# Altium PCB amp.PcbDoc (part 20 of 20)
Units mm, origin at the board's own origin, x right, y up, seen from the top; angles counter-clockwise.
Board outline 210 x 210 mm, 2 copper layers (Top Layer, Bottom Layer); 742 components, 1354 nets, 6402 pads, 5154 vias.
Unrouted connection lines stored in the file: 702.
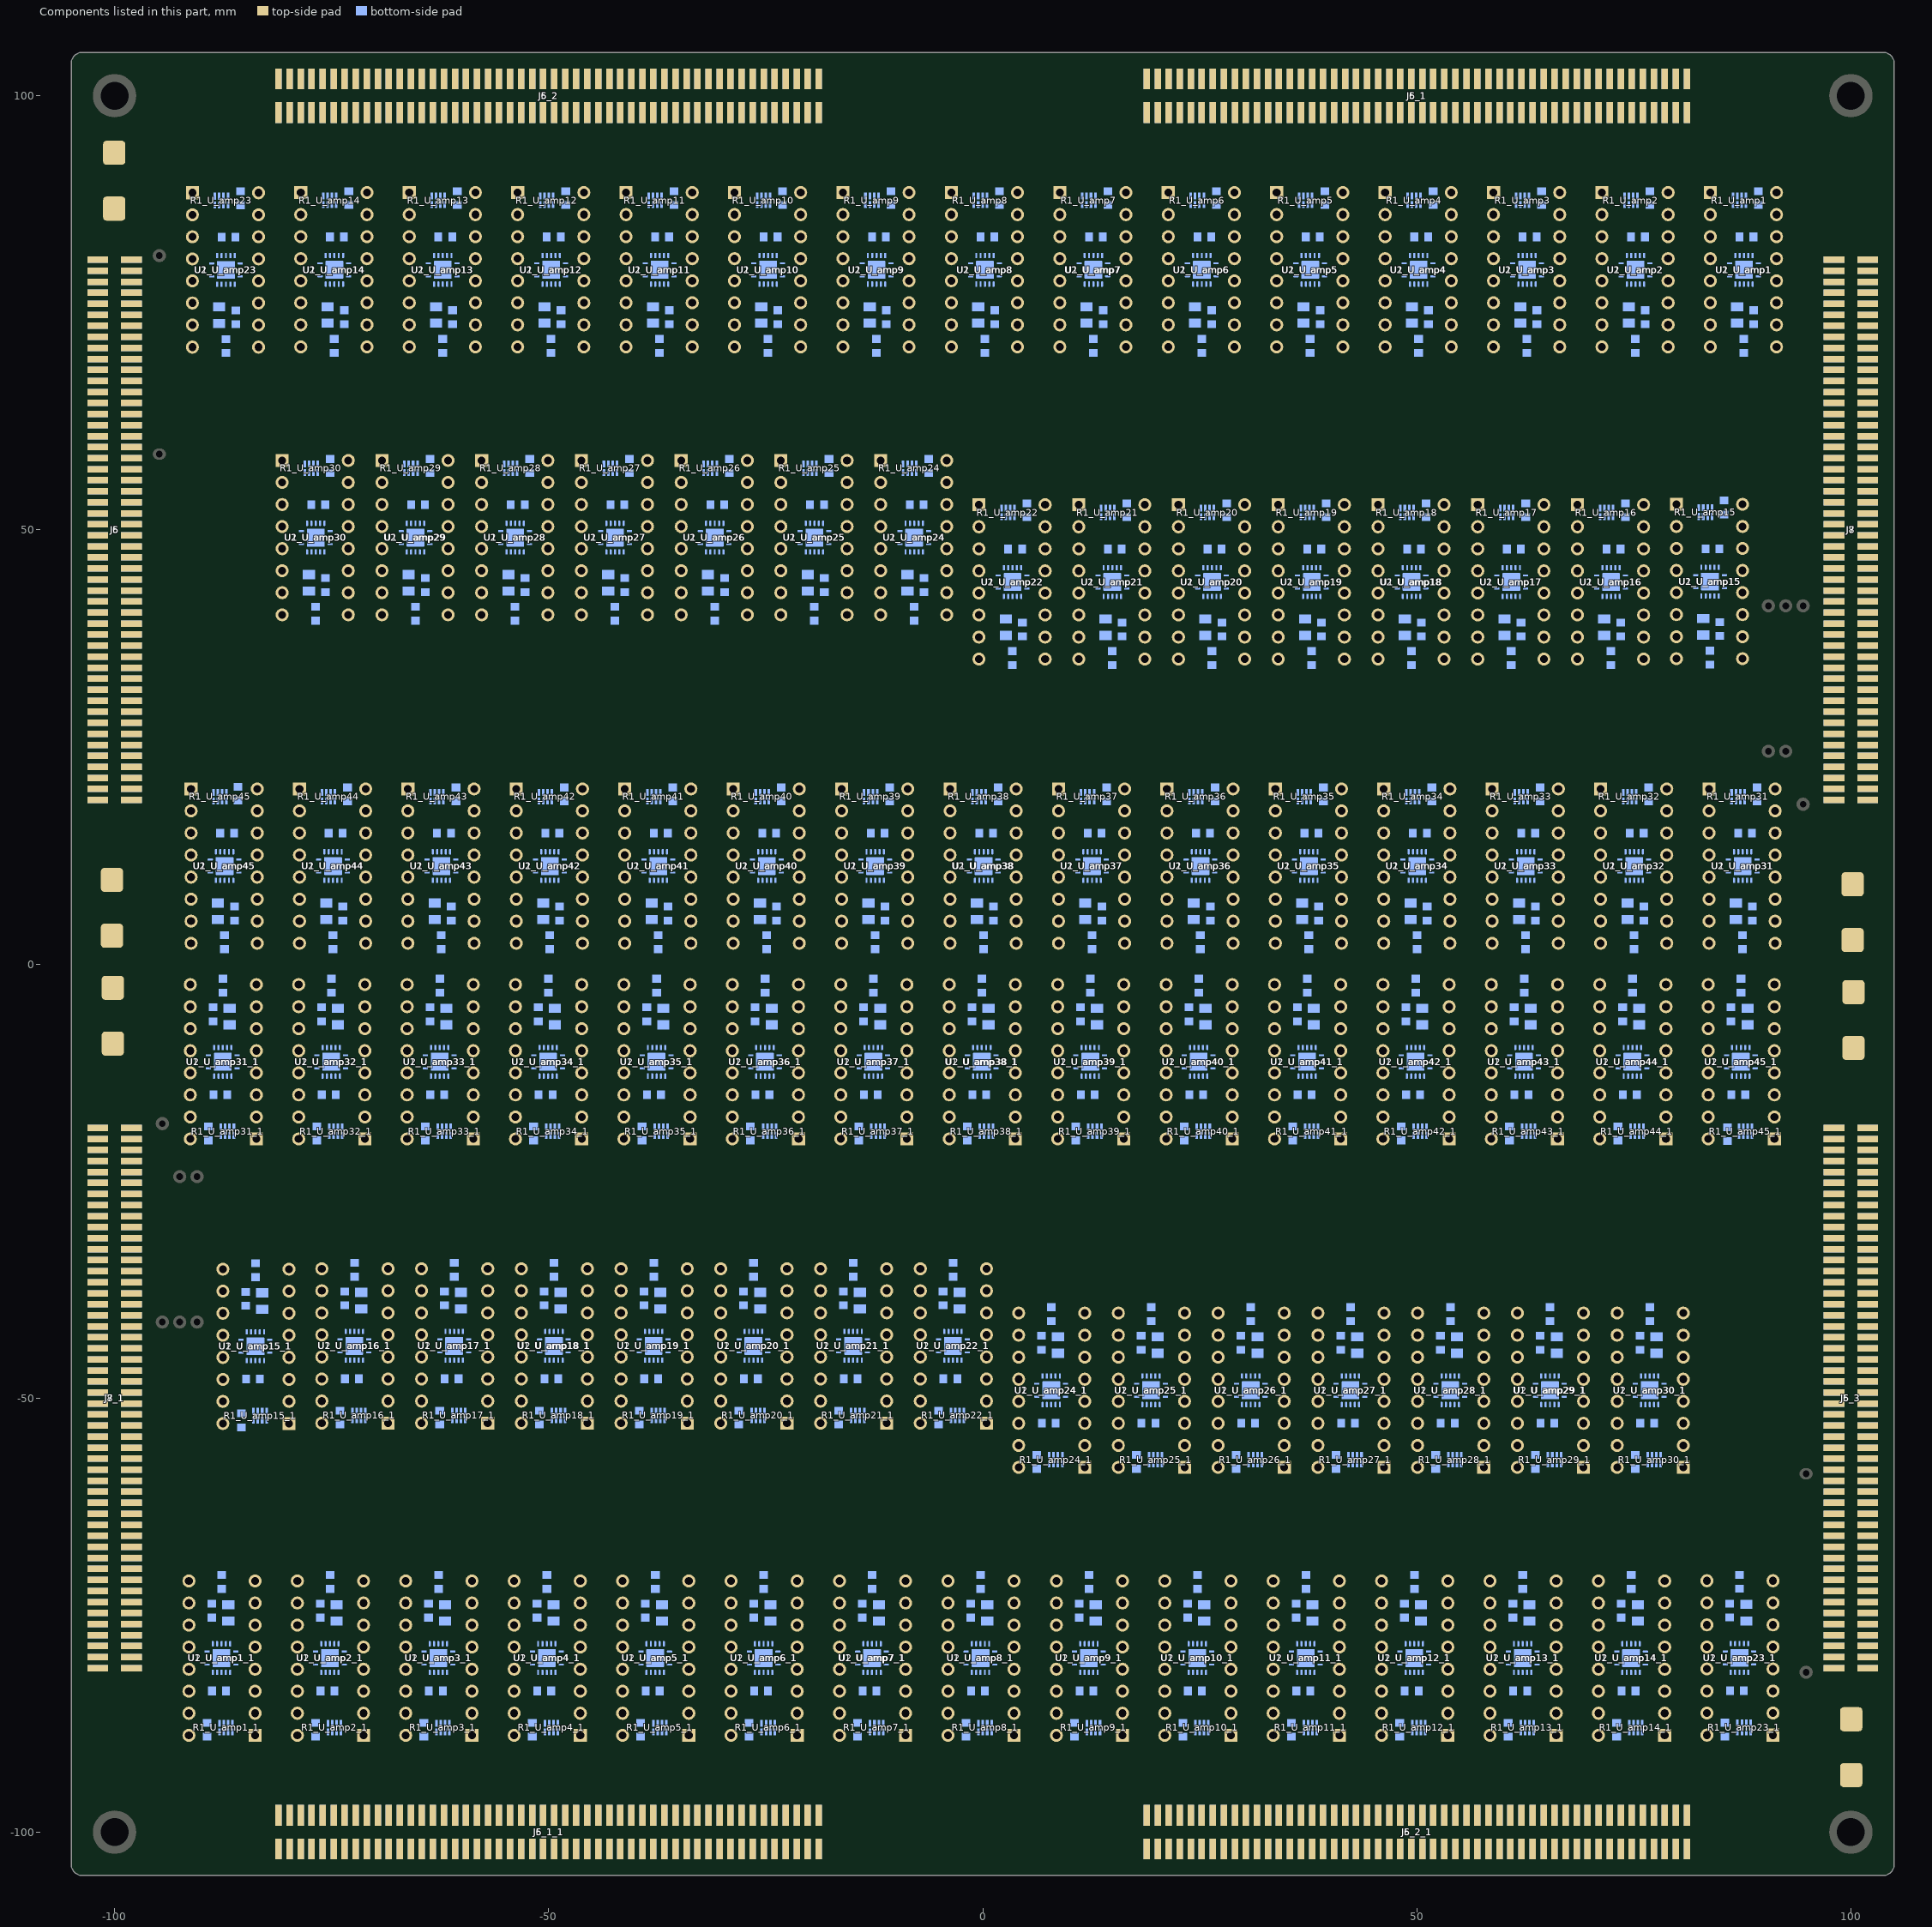
[diagram p20: the components of this part, seen from the top]

## Silkscreen, mask and mechanical layers (free items; w line width, h text height) (continued)
Bottom Overlay:
  circle w1: c100,100 r3.702
  lines w0.2: -93.701,-69.647 93.37,-69.647 ; -93.548,-0.96 93.523,-0.96 ; -93.523,0.96 93.548,0.96 ; -93.37,69.647 93.701,69.647 ; -89.109,-53.865 -89.109,-33.571 -77.908,-33.571 -77.908,-53.865 ; -82.699,58.928 -82.699,38.633 -71.142,38.633 ; -78.067,-33.527 -66.51,-33.527 -66.51,-53.822 ; -71.208,58.928 -71.208,38.633 -59.651,38.633 ; -66.577,-33.527 -55.02,-33.527 -55.02,-53.822 ; -59.718,58.928 -59.718,38.633 -48.161,38.633 ; -55.086,-33.527 -43.529,-33.527 -43.529,-53.822 ; -48.228,58.928 -48.228,38.633 -36.671,38.633 ; -43.596,-33.527 -32.039,-33.527 -32.039,-53.822 ; -36.738,58.928 -36.738,38.633 -25.181,38.633 ; -32.106,-33.527 -20.549,-33.527 -20.549,-53.822 ; -25.248,58.928 -25.248,38.633 -13.691,38.633 -13.691,59.182 ; -20.616,-33.527 -9.059,-33.527 -9.059,-53.822 ; -13.757,38.633 -2.591,38.633 ; -9.126,-33.527 2.591,-33.527 2.591,-59.588 ; -2.591,59.588 -2.591,33.527 9.126,33.527 ; 2.591,-38.633 13.757,-38.633 ; 9.059,53.822 9.059,33.527 20.616,33.527 ; 13.691,-59.182 13.691,-38.633 25.248,-38.633 25.248,-58.928 ; 20.549,53.822 20.549,33.527 32.106,33.527 ; 25.181,-38.633 36.738,-38.633 36.738,-58.928 ; 32.039,53.822 32.039,33.527 43.596,33.527 ; 36.671,-38.633 48.228,-38.633 48.228,-58.928 ; 43.529,53.822 43.529,33.527 55.086,33.527 ; 48.161,-38.633 59.718,-38.633 59.718,-58.928 ; 55.02,53.822 55.02,33.527 66.577,33.527 ; 59.651,-38.633 71.208,-38.633 71.208,-58.928 ; 66.51,53.822 66.51,33.527 78.067,33.527 ; 71.142,-38.633 82.699,-38.633 82.699,-58.928 ; 77.908,53.865 77.908,33.571 89.109,33.571 89.109,53.865 ; -104,-87.54 -104,-17.04 -96,-17.04 -96,-87.54 -104,-87.54 ; -104,17 -104,87.5 -96,87.5 -96,17 -104,17 ; 96,-87.5 104,-87.5 104,-17 96,-17 96,-87.5 ; 96,17.04 96,87.54 104,87.54 104,17.04 96,17.04
  text "-OUTPUT-" at -14.681,101.6 h7 r180
  text "Ch1 IC14 Ch2" at -68.463,89.759 h2
  text "Ch1 IC13 Ch2" at -55.973,89.759 h2
  text "Ch1 IC12 Ch2" at -43.483,89.759 h2
  text "Ch1 IC11 Ch2" at -30.992,89.759 h2
  text "Ch1 IC10 Ch2" at -18.502,89.759 h2
  text "Ch1 IC09 Ch2" at -6.012,89.759 h2
  text "Ch1 IC08 Ch2" at 6.478,89.759 h2
  text "Ch1 IC07 Ch2" at 18.968,89.759 h2
  text "Ch1 IC06 Ch2" at 31.459,89.759 h2
  text "Ch1 IC05 Ch2" at 43.949,89.759 h2
  text "Ch1 IC04 Ch2" at 56.439,89.759 h2
  text "Ch1 IC03 Ch2" at 68.929,89.759 h2
  text "Ch1 IC02 Ch2" at 81.419,89.759 h2
  text "Ch1 IC01 Ch2" at 93.91,89.759 h2
  text "Ch1 IC23 Ch2" at -80.952,89.738 h2
  text "5V" at -68.463,86.888 h1.1
  text "5V" at -55.973,86.888 h1.1
  text "5V" at -43.483,86.888 h1.1
  text "5V" at -30.992,86.888 h1.1
  text "5V" at -18.502,86.888 h1.1
  text "5V" at -6.012,86.888 h1.1
  text "5V" at 6.478,86.888 h1.1
  text "5V" at 18.968,86.888 h1.1
  text "5V" at 31.459,86.888 h1.1
  text "5V" at 43.949,86.888 h1.1
  text "5V" at 56.439,86.888 h1.1
  text "5V" at 68.929,86.888 h1.1
  text "5V" at 81.419,86.888 h1.1
  text "5V" at 93.91,86.888 h1.1
  text "5V" at -80.952,86.868 h1.1
  text "En" at -79.326,86.868 h1.1
  text "En" at -66.836,86.868 h1.1
  text "En" at -54.346,86.868 h1.1
  text "En" at -41.856,86.868 h1.1
  text "En" at -29.365,86.868 h1.1
  text "En" at -16.875,86.868 h1.1
  text "En" at -4.385,86.868 h1.1
  text "En" at 8.105,86.868 h1.1
  text "En" at 20.595,86.868 h1.1
  text "En" at 33.086,86.868 h1.1
  text "En" at 45.576,86.868 h1.1
  text "En" at 58.066,86.868 h1.1
  text "En" at 70.556,86.868 h1.1
  text "En" at 83.046,86.868 h1.1
  text "En" at -91.815,86.848 h1.1
  text "IN" at -68.463,84.348 h1.1
  text "IN" at -55.973,84.348 h1.1
  text "IN" at -43.483,84.348 h1.1
  text "IN" at -30.992,84.348 h1.1
  text "IN" at -18.502,84.348 h1.1
  text "IN" at -6.012,84.348 h1.1
  text "IN" at 6.478,84.348 h1.1
  text "IN" at 18.968,84.348 h1.1
  text "IN" at 31.459,84.348 h1.1
  text "IN" at 43.949,84.348 h1.1
  text "IN" at 56.439,84.348 h1.1
  text "IN" at 68.929,84.348 h1.1
  text "IN" at 81.419,84.348 h1.1
  text "IN" at 93.91,84.348 h1.1
  text "IN" at -80.952,84.328 h1.1
  text "IN" at -79.326,84.328 h1.1
  text "IN" at -66.836,84.328 h1.1
  text "IN" at -54.346,84.328 h1.1
  text "IN" at -41.856,84.328 h1.1
  text "IN" at -29.365,84.328 h1.1
  text "IN" at -16.875,84.328 h1.1
  text "IN" at -4.385,84.328 h1.1
  text "IN" at 8.105,84.328 h1.1
  text "IN" at 20.595,84.328 h1.1
  text "IN" at 33.086,84.328 h1.1
  text "IN" at 45.576,84.328 h1.1
  text "IN" at 58.066,84.328 h1.1
  text "IN" at 70.556,84.328 h1.1
  text "IN" at 83.046,84.328 h1.1
  text "IN" at -91.815,84.308 h1.1
  text "IC01- / IC23" at 104.048,82.54 h3
  text "IC23- / IC45" at -95.952,82.5 h3
  text "Out" at -68.463,81.808 h1.1
  text "Out" at -55.973,81.808 h1.1
  text "Out" at -43.483,81.808 h1.1
  text "Out" at -30.992,81.808 h1.1
  text "Out" at -18.502,81.808 h1.1
  text "Out" at -6.012,81.808 h1.1
  text "Out" at 6.478,81.808 h1.1
  text "Out" at 18.968,81.808 h1.1
  text "Out" at 31.459,81.808 h1.1
  text "Out" at 43.949,81.808 h1.1
  text "Out" at 56.439,81.808 h1.1
  text "Out" at 68.929,81.808 h1.1
  text "Out" at 81.419,81.808 h1.1
  text "Out" at 93.91,81.808 h1.1
  text "Out" at -80.952,81.788 h1.1
  text "Out" at -79.326,81.788 h1.1
  text "Out" at -66.836,81.788 h1.1
  text "Out" at -54.346,81.788 h1.1
  text "Out" at -41.856,81.788 h1.1
  text "Out" at -29.365,81.788 h1.1
  text "Out" at -16.875,81.788 h1.1
  text "Out" at -4.385,81.788 h1.1
  text "Out" at 8.105,81.788 h1.1
  text "Out" at 20.595,81.788 h1.1
  text "Out" at 33.086,81.788 h1.1
  text "Out" at 45.576,81.788 h1.1
  text "Out" at 58.066,81.788 h1.1
  text "Out" at 70.556,81.788 h1.1
  text "Out" at 83.046,81.788 h1.1
  text "Out" at -91.815,81.768 h1.1
  text "GND" at -68.463,79.268 h1.1
  text "GND" at -55.973,79.268 h1.1
  text "GND" at -43.483,79.268 h1.1
  text "GND" at -30.992,79.268 h1.1
  text "GND" at -18.502,79.268 h1.1
  text "GND" at -6.012,79.268 h1.1
  text "GND" at 6.478,79.268 h1.1
  text "GND" at 18.968,79.268 h1.1
  text "GND" at 31.459,79.268 h1.1
  text "GND" at 43.949,79.268 h1.1
  text "GND" at 56.439,79.268 h1.1
  text "GND" at 68.929,79.268 h1.1
  text "GND" at 81.419,79.268 h1.1
  text "GND" at 93.91,79.268 h1.1
  text "GND" at -80.952,79.248 h1.1
  text "GND" at -79.326,79.248 h1.1
  text "GND" at -66.836,79.248 h1.1
  text "GND" at -54.346,79.248 h1.1
  text "GND" at -41.856,79.248 h1.1
  text "GND" at -29.365,79.248 h1.1
  text "GND" at -16.875,79.248 h1.1
  text "GND" at -4.385,79.248 h1.1
  text "GND" at 8.105,79.248 h1.1
  text "GND" at 20.595,79.248 h1.1
  text "GND" at 33.086,79.248 h1.1
  text "GND" at 45.576,79.248 h1.1
  text "GND" at 58.066,79.248 h1.1
  text "GND" at 70.556,79.248 h1.1
  text "GND" at 83.046,79.248 h1.1
  text "GND" at -91.815,79.228 h1.1
  text "GND" at -68.463,76.728 h1.1
  text "GND" at -55.973,76.728 h1.1
  text "GND" at -43.483,76.728 h1.1
  text "GND" at -30.992,76.728 h1.1
  text "GND" at -18.502,76.728 h1.1
  text "GND" at -6.012,76.728 h1.1
  text "GND" at 6.478,76.728 h1.1
  text "GND" at 18.968,76.728 h1.1
  text "GND" at 31.459,76.728 h1.1
  text "GND" at 43.949,76.728 h1.1
  text "GND" at 56.439,76.728 h1.1
  text "GND" at 68.929,76.728 h1.1
  text "GND" at 81.419,76.728 h1.1
  text "GND" at 93.91,76.728 h1.1
  text "GND" at -80.952,76.708 h1.1
  text "GND" at -79.326,76.708 h1.1
  text "GND" at -66.836,76.708 h1.1
  text "GND" at -54.346,76.708 h1.1
  text "GND" at -41.856,76.708 h1.1
  text "GND" at -29.365,76.708 h1.1
  text "GND" at -16.875,76.708 h1.1
  text "GND" at -4.385,76.708 h1.1
  text "GND" at 8.105,76.708 h1.1
  text "GND" at 20.595,76.708 h1.1
  text "GND" at 33.086,76.708 h1.1
  text "GND" at 45.576,76.708 h1.1
  text "GND" at 58.066,76.708 h1.1
  text "GND" at 70.556,76.708 h1.1
  text "GND" at 83.046,76.708 h1.1
  text "GND" at -91.815,76.688 h1.1
  text "Out" at -68.463,74.188 h1.1
  text "Out" at -55.973,74.188 h1.1
  text "Out" at -43.483,74.188 h1.1
  text "Out" at -30.992,74.188 h1.1
  text "Out" at -18.502,74.188 h1.1
  text "Out" at -6.012,74.188 h1.1
  text "Out" at 6.478,74.188 h1.1
  text "Out" at 18.968,74.188 h1.1
  text "Out" at 31.459,74.188 h1.1
  text "Out" at 43.949,74.188 h1.1
  text "Out" at 56.439,74.188 h1.1
  text "Out" at 68.929,74.188 h1.1
  text "Out" at 81.419,74.188 h1.1
  text "Out" at 93.91,74.188 h1.1
  text "Out" at -80.952,74.168 h1.1
  text "Out" at -79.326,74.168 h1.1
  text "Out" at -66.836,74.168 h1.1
  text "Out" at -54.346,74.168 h1.1
  text "Out" at -41.856,74.168 h1.1
  text "Out" at -29.365,74.168 h1.1
  text "Out" at -16.875,74.168 h1.1
  text "Out" at -4.385,74.168 h1.1
  text "Out" at 8.105,74.168 h1.1
  text "Out" at 20.595,74.168 h1.1
  text "Out" at 33.086,74.168 h1.1
  text "Out" at 45.576,74.168 h1.1
  text "Out" at 58.066,74.168 h1.1
  text "Out" at 70.556,74.168 h1.1
  text "Out" at 83.046,74.168 h1.1
  text "Out" at -91.815,74.148 h1.1
  text "In" at -68.463,71.648 h1.1
  text "In" at -55.973,71.648 h1.1
  text "In" at -43.483,71.648 h1.1
  text "In" at -30.992,71.648 h1.1
  text "In" at -18.502,71.648 h1.1
  text "In" at -6.012,71.648 h1.1
  text "In" at 6.478,71.648 h1.1
  text "In" at 18.968,71.648 h1.1
  text "In" at 31.459,71.648 h1.1
  text "In" at 43.949,71.648 h1.1
  text "In" at 56.439,71.648 h1.1
  text "In" at 68.929,71.648 h1.1
  text "In" at 81.419,71.648 h1.1
  text "In" at 93.91,71.648 h1.1
  text "In" at -80.952,71.628 h1.1
  text "In" at -79.326,71.628 h1.1
  text "In" at -66.836,71.628 h1.1
  text "In" at -54.346,71.628 h1.1
  text "In" at -41.856,71.628 h1.1
  text "In" at -29.365,71.628 h1.1
  text "In" at -16.875,71.628 h1.1
  text "In" at -4.385,71.628 h1.1
  text "In" at 8.105,71.628 h1.1
  text "In" at 20.595,71.628 h1.1
  text "In" at 33.086,71.628 h1.1
  text "In" at 45.576,71.628 h1.1
  text "In" at 58.066,71.628 h1.1
  text "In" at 70.556,71.628 h1.1
  text "In" at 83.046,71.628 h1.1
  text "In" at -91.815,71.608 h1.1
  text "Vus" at -79.326,69.647 h1.1
  text "En" at -68.463,69.647 h1.1
  text "Vus" at -66.836,69.647 h1.1
  text "En" at -55.973,69.647 h1.1
  text "Vus" at -54.346,69.647 h1.1
  text "En" at -43.483,69.647 h1.1
  text "Vus" at -41.856,69.647 h1.1
  text "En" at -30.992,69.647 h1.1
  text "Vus" at -29.365,69.647 h1.1
  text "En" at -18.502,69.647 h1.1
  text "Vus" at -16.875,69.647 h1.1
  text "En" at -6.012,69.647 h1.1
  text "Vus" at -4.385,69.647 h1.1
  text "En" at 6.478,69.647 h1.1
  text "Vus" at 8.105,69.647 h1.1
  text "En" at 18.968,69.647 h1.1
  text "Vus" at 20.595,69.647 h1.1
  text "En" at 31.459,69.647 h1.1
  text "Vus" at 33.086,69.647 h1.1
  text "En" at 43.949,69.647 h1.1
  text "Vus" at 45.576,69.647 h1.1
  text "En" at 56.439,69.647 h1.1
  text "Vus" at 58.066,69.647 h1.1
  text "En" at 68.929,69.647 h1.1
  text "Vus" at 70.556,69.647 h1.1
  text "En" at 81.419,69.647 h1.1
  text "Vus" at 83.046,69.647 h1.1
  text "En" at 93.91,69.647 h1.1
  text "Vus" at -91.815,69.626 h1.1
  text "En" at -80.952,69.626 h1.1
  text "Ch1 IC30 Ch2" at -71.396,58.904 h2
  text "Ch1 IC29 Ch2" at -59.905,58.904 h2
  text "Ch1 IC28 Ch2" at -48.415,58.904 h2
  text "Ch1 IC27 Ch2" at -36.925,58.904 h2
  text "Ch1 IC26 Ch2" at -25.435,58.904 h2
  text "Ch1 IC25 Ch2" at -13.945,58.904 h2
  text "Ch1 IC24 Ch2" at -2.464,58.904 h2
  text "Ch1 IC15 Ch2" at 89.211,53.842 h2
  text "Ch1 IC22 Ch2" at 8.872,53.798 h2
  text "Ch1 IC21 Ch2" at 20.362,53.798 h2
  text "Ch1 IC20 Ch2" at 31.852,53.798 h2
  text "Ch1 IC19 Ch2" at 43.342,53.798 h2
  text "Ch1 IC18 Ch2" at 54.832,53.798 h2
  text "Ch1 IC17 Ch2" at 66.323,53.798 h2
  text "Ch1 IC16 Ch2" at 77.813,53.798 h2
  text "Ch1 IC45 Ch2" at -81.104,21.051 h2
  text "Ch1 IC44 Ch2" at -68.615,21.071 h2
  text "Ch1 IC43 Ch2" at -56.125,21.071 h2
  text "Ch1 IC42 Ch2" at -43.635,21.071 h2
  text "Ch1 IC41 Ch2" at -31.145,21.071 h2
  text "Ch1 IC40 0Ch2" at -18.655,21.071 h2
  text "Ch1 IC39 Ch2" at -6.164,21.071 h2
  text "Ch1 IC38 Ch2" at 6.326,21.071 h2
  text "Ch1 IC37 Ch2" at 18.816,21.071 h2
  text "Ch1 IC36 Ch2" at 31.306,21.071 h2
  text "Ch1 IC35 Ch2" at 43.796,21.071 h2
  text "Ch1 IC34 Ch2" at 56.287,21.071 h2
  text "Ch1 IC33 Ch2" at 68.777,21.071 h2
  text "Ch1 IC32 Ch2" at 81.267,21.071 h2
  text "Ch1 IC31 Ch2" at 93.757,21.071 h2
  text "5V" at -81.104,18.181 h1.1
  text "En" at -79.479,18.181 h1.1
  text "5V" at -68.615,18.201 h1.1
  text "En" at -66.988,18.181 h1.1
  text "5V" at -56.125,18.201 h1.1
  text "En" at -54.498,18.181 h1.1
  text "5V" at -43.635,18.201 h1.1
  text "En" at -42.008,18.181 h1.1
  text "5V" at -31.145,18.201 h1.1
  text "En" at -29.518,18.181 h1.1
  text "5V" at -18.655,18.201 h1.1
  text "En" at -17.028,18.181 h1.1
  text "5V" at -6.164,18.201 h1.1
  text "En" at -4.537,18.181 h1.1
  text "5V" at 6.326,18.201 h1.1
  text "En" at 7.953,18.181 h1.1
  text "5V" at 18.816,18.201 h1.1
  text "En" at 20.443,18.181 h1.1
  text "5V" at 31.306,18.201 h1.1
  text "En" at 32.933,18.181 h1.1
  text "5V" at 43.796,18.201 h1.1
  text "En" at 45.423,18.181 h1.1
  text "5V" at 56.287,18.201 h1.1
  text "En" at 57.914,18.181 h1.1
  text "5V" at 68.777,18.201 h1.1
  text "En" at 70.404,18.181 h1.1
  text "5V" at 81.267,18.201 h1.1
  text "En" at 82.894,18.181 h1.1
  text "5V" at 93.757,18.201 h1.1
  text "En" at -91.967,18.16 h1.1
  text "IN" at -81.104,15.641 h1.1
  text "IN" at -79.479,15.641 h1.1
  text "IN" at -68.615,15.661 h1.1
  text "IN" at -66.988,15.641 h1.1
  text "IN" at -56.125,15.661 h1.1
  text "IN" at -54.498,15.641 h1.1
  text "IN" at -43.635,15.661 h1.1
  text "IN" at -42.008,15.641 h1.1
  text "IN" at -31.145,15.661 h1.1
  text "IN" at -29.518,15.641 h1.1
  text "IN" at -18.655,15.661 h1.1
  text "IN" at -17.028,15.641 h1.1
  text "IN" at -6.164,15.661 h1.1
  text "IN" at -4.537,15.641 h1.1
  text "IN" at 6.326,15.661 h1.1
  text "IN" at 7.953,15.641 h1.1
  text "IN" at 18.816,15.661 h1.1
  text "IN" at 20.443,15.641 h1.1
  text "IN" at 31.306,15.661 h1.1
  text "IN" at 32.933,15.641 h1.1
  text "IN" at 43.796,15.661 h1.1
  text "IN" at 45.423,15.641 h1.1
  text "IN" at 56.287,15.661 h1.1
  text "IN" at 57.914,15.641 h1.1
  text "IN" at 68.777,15.661 h1.1
  text "IN" at 70.404,15.641 h1.1
  text "IN" at 81.267,15.661 h1.1
  text "IN" at 82.894,15.641 h1.1
  text "IN" at 93.757,15.661 h1.1
  text "IN" at -91.967,15.62 h1.1
  text "-OUTPUT-" at 101.575,14.707 h7 r90
  text "Out" at -81.104,13.101 h1.1
  text "Out" at -79.479,13.101 h1.1
  text "Out" at -68.615,13.121 h1.1
  text "Out" at -66.988,13.101 h1.1
  text "Out" at -56.125,13.121 h1.1
  text "Out" at -54.498,13.101 h1.1
  text "Out" at -43.635,13.121 h1.1
  text "Out" at -42.008,13.101 h1.1
  text "Out" at -31.145,13.121 h1.1
  text "Out" at -29.518,13.101 h1.1
  text "Out" at -18.655,13.121 h1.1
  text "Out" at -17.028,13.101 h1.1
  text "Out" at -6.164,13.121 h1.1
  text "Out" at -4.537,13.101 h1.1
  text "Out" at 6.326,13.121 h1.1
  text "Out" at 7.953,13.101 h1.1
  text "Out" at 18.816,13.121 h1.1
  text "Out" at 20.443,13.101 h1.1
  text "Out" at 31.306,13.121 h1.1
  text "Out" at 32.933,13.101 h1.1
  text "Out" at 43.796,13.121 h1.1
  text "Out" at 45.423,13.101 h1.1
  text "Out" at 56.287,13.121 h1.1
  text "Out" at 57.914,13.101 h1.1
  text "Out" at 68.777,13.121 h1.1
  text "Out" at 70.404,13.101 h1.1
  text "Out" at 81.267,13.121 h1.1
  text "Out" at 82.894,13.101 h1.1
  text "Out" at 93.757,13.121 h1.1
  text "Out" at -91.967,13.08 h1.1
  text "GND" at -81.104,10.561 h1.1
  text "GND" at -79.479,10.561 h1.1
  text "GND" at -68.615,10.581 h1.1
  text "GND" at -66.988,10.561 h1.1
  text "GND" at -56.125,10.581 h1.1
  text "GND" at -54.498,10.561 h1.1
  text "GND" at -43.635,10.581 h1.1
  text "GND" at -42.008,10.561 h1.1
  text "GND" at -31.145,10.581 h1.1
  text "GND" at -29.518,10.561 h1.1
  text "GND" at -18.655,10.581 h1.1
  text "GND" at -17.028,10.561 h1.1
  text "GND" at -6.164,10.581 h1.1
  text "GND" at -4.537,10.561 h1.1
  text "GND" at 6.326,10.581 h1.1
  text "GND" at 7.953,10.561 h1.1
  text "GND" at 18.816,10.581 h1.1
  text "GND" at 20.443,10.561 h1.1
  text "GND" at 31.306,10.581 h1.1
  text "GND" at 32.933,10.561 h1.1
  text "GND" at 43.796,10.581 h1.1
  text "GND" at 45.423,10.561 h1.1
  text "GND" at 56.287,10.581 h1.1
  text "GND" at 57.914,10.561 h1.1
  text "GND" at 68.777,10.581 h1.1
  text "GND" at 70.404,10.561 h1.1
  text "GND" at 81.267,10.581 h1.1
  text "GND" at 82.894,10.561 h1.1
  text "GND" at 93.757,10.581 h1.1
  text "GND" at -91.967,10.54 h1.1
  text "GND" at -81.104,8.021 h1.1
  text "GND" at -79.479,8.021 h1.1
  text "GND" at -68.615,8.041 h1.1
  text "GND" at -66.988,8.021 h1.1
  text "GND" at -56.125,8.041 h1.1
  text "GND" at -54.498,8.021 h1.1
  text "GND" at -43.635,8.041 h1.1
  text "GND" at -42.008,8.021 h1.1
  text "GND" at -31.145,8.041 h1.1
  text "GND" at -29.518,8.021 h1.1
  text "GND" at -18.655,8.041 h1.1
  text "GND" at -17.028,8.021 h1.1
  text "GND" at -6.164,8.041 h1.1
  text "GND" at -4.537,8.021 h1.1
  text "GND" at 6.326,8.041 h1.1
  text "GND" at 7.953,8.021 h1.1
  text "GND" at 18.816,8.041 h1.1
  text "GND" at 20.443,8.021 h1.1
  text "GND" at 31.306,8.041 h1.1
  text "GND" at 32.933,8.021 h1.1
  text "GND" at 43.796,8.041 h1.1
  text "GND" at 45.423,8.021 h1.1
  text "GND" at 56.287,8.041 h1.1
  text "GND" at 57.914,8.021 h1.1
  text "GND" at 68.777,8.041 h1.1
  text "GND" at 70.404,8.021 h1.1
  text "GND" at 81.267,8.041 h1.1
  text "GND" at 82.894,8.021 h1.1
  text "GND" at 93.757,8.041 h1.1
  text "GND" at -91.967,8 h1.1
  text "Out" at -81.104,5.481 h1.1
  text "Out" at -79.479,5.481 h1.1
  text "Out" at -68.615,5.501 h1.1
  text "Out" at -66.988,5.481 h1.1
  text "Out" at -56.125,5.501 h1.1
  text "Out" at -54.498,5.481 h1.1
  text "Out" at -43.635,5.501 h1.1
  text "Out" at -42.008,5.481 h1.1
  text "Out" at -31.145,5.501 h1.1
  text "Out" at -29.518,5.481 h1.1
  text "Out" at -18.655,5.501 h1.1
  text "Out" at -17.028,5.481 h1.1
  text "Out" at -6.164,5.501 h1.1
  text "Out" at -4.537,5.481 h1.1
  text "Out" at 6.326,5.501 h1.1
  text "Out" at 7.953,5.481 h1.1
  text "Out" at 18.816,5.501 h1.1
  text "Out" at 20.443,5.481 h1.1
  text "Out" at 31.306,5.501 h1.1
  text "Out" at 32.933,5.481 h1.1
  text "Out" at 43.796,5.501 h1.1
  text "Out" at 45.423,5.481 h1.1
  text "Out" at 56.287,5.501 h1.1
  text "Out" at 57.914,5.481 h1.1
  text "Out" at 68.777,5.501 h1.1
  text "Out" at 70.404,5.481 h1.1
  text "Out" at 81.267,5.501 h1.1
  text "Out" at 82.894,5.481 h1.1
  text "Out" at 93.757,5.501 h1.1
  text "Out" at -91.967,5.46 h1.1
  text "In" at -81.104,2.941 h1.1
  text "In" at -79.479,2.941 h1.1
  text "In" at -68.615,2.961 h1.1
  text "In" at -66.988,2.941 h1.1
  text "In" at -56.125,2.961 h1.1
  text "In" at -54.498,2.941 h1.1
  text "In" at -43.635,2.961 h1.1
  text "In" at -42.008,2.941 h1.1
  text "In" at -31.145,2.961 h1.1
  text "In" at -29.518,2.941 h1.1
  text "In" at -18.655,2.961 h1.1
  text "In" at -17.028,2.941 h1.1
  text "In" at -6.164,2.961 h1.1
  text "In" at -4.537,2.941 h1.1
  text "In" at 6.326,2.961 h1.1
  text "In" at 7.953,2.941 h1.1
  text "In" at 18.816,2.961 h1.1
  text "In" at 20.443,2.941 h1.1
  text "In" at 31.306,2.961 h1.1
  text "In" at 32.933,2.941 h1.1
  text "In" at 43.796,2.961 h1.1
  text "In" at 45.423,2.941 h1.1
  text "In" at 56.287,2.961 h1.1
  text "In" at 57.914,2.941 h1.1
  text "In" at 68.777,2.961 h1.1
  text "In" at 70.404,2.941 h1.1
  text "In" at 81.267,2.961 h1.1
  text "In" at 82.894,2.941 h1.1
  text "In" at 93.757,2.961 h1.1
  text "In" at -91.967,2.92 h1.1
  text "Vus" at -79.479,0.96 h1.1
  text "En" at -68.615,0.96 h1.1
  text "Vus" at -66.988,0.96 h1.1
  text "En" at -56.125,0.96 h1.1
  text "Vus" at -54.498,0.96 h1.1
  text "En" at -43.635,0.96 h1.1
  text "Vus" at -42.008,0.96 h1.1
  text "En" at -31.145,0.96 h1.1
  text "Vus" at -29.518,0.96 h1.1
  text "En" at -18.655,0.96 h1.1
  text "Vus" at -17.028,0.96 h1.1
  text "En" at -6.164,0.96 h1.1
  text "Vus" at -4.537,0.96 h1.1
  text "En" at 6.326,0.96 h1.1
  text "Vus" at 7.953,0.96 h1.1
  text "En" at 18.816,0.96 h1.1
  text "Vus" at 20.443,0.96 h1.1
  text "En" at 31.306,0.96 h1.1
  text "Vus" at 32.933,0.96 h1.1
  text "En" at 43.796,0.96 h1.1
  text "Vus" at 45.423,0.96 h1.1
  text "En" at 56.287,0.96 h1.1
  text "Vus" at 57.914,0.96 h1.1
  text "En" at 68.777,0.96 h1.1
  text "Vus" at 70.404,0.96 h1.1
  text "En" at 81.267,0.96 h1.1
  text "Vus" at 82.894,0.96 h1.1
  text "En" at 93.757,0.96 h1.1
  text "Vus" at -91.967,0.939 h1.1
  text "En" at -81.104,0.939 h1.1
  text "En" at 81.104,-0.939 h1.1 r180
  text "Vus" at 91.967,-0.939 h1.1 r180
  text "En" at -93.757,-0.96 h1.1 r180
  text "Vus" at -82.894,-0.96 h1.1 r180
  text "En" at -81.267,-0.96 h1.1 r180
  text "Vus" at -70.404,-0.96 h1.1 r180
  text "En" at -68.777,-0.96 h1.1 r180
  text "Vus" at -57.914,-0.96 h1.1 r180
  text "En" at -56.287,-0.96 h1.1 r180
  text "Vus" at -45.423,-0.96 h1.1 r180
  text "En" at -43.796,-0.96 h1.1 r180
  text "Vus" at -32.933,-0.96 h1.1 r180
  text "En" at -31.306,-0.96 h1.1 r180
  text "Vus" at -20.443,-0.96 h1.1 r180
  text "En" at -18.816,-0.96 h1.1 r180
  text "Vus" at -7.953,-0.96 h1.1 r180
  text "En" at -6.326,-0.96 h1.1 r180
  text "Vus" at 4.537,-0.96 h1.1 r180
  text "En" at 6.164,-0.96 h1.1 r180
  text "Vus" at 17.028,-0.96 h1.1 r180
  text "En" at 18.655,-0.96 h1.1 r180
  text "Vus" at 29.518,-0.96 h1.1 r180
  text "En" at 31.145,-0.96 h1.1 r180
  text "Vus" at 42.008,-0.96 h1.1 r180
  text "En" at 43.635,-0.96 h1.1 r180
  text "Vus" at 54.498,-0.96 h1.1 r180
  text "En" at 56.125,-0.96 h1.1 r180
  text "Vus" at 66.988,-0.96 h1.1 r180
  text "En" at 68.615,-0.96 h1.1 r180
  text "Vus" at 79.479,-0.96 h1.1 r180
  text "In" at 91.967,-2.92 h1.1 r180
  text "In" at -82.894,-2.941 h1.1 r180
  text "In" at -70.404,-2.941 h1.1 r180
  text "In" at -57.914,-2.941 h1.1 r180
  text "In" at -45.423,-2.941 h1.1 r180
  text "In" at -32.933,-2.941 h1.1 r180
  text "In" at -20.443,-2.941 h1.1 r180
  text "In" at -7.953,-2.941 h1.1 r180
  text "In" at 4.537,-2.941 h1.1 r180
  text "In" at 17.028,-2.941 h1.1 r180
  text "In" at 29.518,-2.941 h1.1 r180
  text "In" at 42.008,-2.941 h1.1 r180
  text "In" at 54.498,-2.941 h1.1 r180
  text "In" at 66.988,-2.941 h1.1 r180
  text "In" at 79.479,-2.941 h1.1 r180
  text "In" at 81.104,-2.941 h1.1 r180
  text "In" at -93.757,-2.961 h1.1 r180
  text "In" at -81.267,-2.961 h1.1 r180
  text "In" at -68.777,-2.961 h1.1 r180
  text "In" at -56.287,-2.961 h1.1 r180
  text "In" at -43.796,-2.961 h1.1 r180
  text "In" at -31.306,-2.961 h1.1 r180
  text "In" at -18.816,-2.961 h1.1 r180
  text "In" at -6.326,-2.961 h1.1 r180
  text "In" at 6.164,-2.961 h1.1 r180
  text "In" at 18.655,-2.961 h1.1 r180
  text "In" at 31.145,-2.961 h1.1 r180
  text "In" at 43.635,-2.961 h1.1 r180
  text "In" at 56.125,-2.961 h1.1 r180
  text "In" at 68.615,-2.961 h1.1 r180
  text "Out" at 91.967,-5.46 h1.1 r180
  text "Out" at -82.894,-5.481 h1.1 r180
  text "Out" at -70.404,-5.481 h1.1 r180
  text "Out" at -57.914,-5.481 h1.1 r180
  text "Out" at -45.423,-5.481 h1.1 r180
  text "Out" at -32.933,-5.481 h1.1 r180
  text "Out" at -20.443,-5.481 h1.1 r180
  text "Out" at -7.953,-5.481 h1.1 r180
  text "Out" at 4.537,-5.481 h1.1 r180
  text "Out" at 17.028,-5.481 h1.1 r180
  text "Out" at 29.518,-5.481 h1.1 r180
  text "Out" at 42.008,-5.481 h1.1 r180
  text "Out" at 54.498,-5.481 h1.1 r180
  text "Out" at 66.988,-5.481 h1.1 r180
  text "Out" at 79.479,-5.481 h1.1 r180
  text "Out" at 81.104,-5.481 h1.1 r180
  text "Out" at -93.757,-5.501 h1.1 r180
  text "Out" at -81.267,-5.501 h1.1 r180
  text "Out" at -68.777,-5.501 h1.1 r180
  text "Out" at -56.287,-5.501 h1.1 r180
  text "Out" at -43.796,-5.501 h1.1 r180
  text "Out" at -31.306,-5.501 h1.1 r180
  text "Out" at -18.816,-5.501 h1.1 r180
  text "Out" at -6.326,-5.501 h1.1 r180
  text "Out" at 6.164,-5.501 h1.1 r180
  text "Out" at 18.655,-5.501 h1.1 r180
  text "Out" at 31.145,-5.501 h1.1 r180
  text "Out" at 43.635,-5.501 h1.1 r180
  text "Out" at 56.125,-5.501 h1.1 r180
  text "Out" at 68.615,-5.501 h1.1 r180
  text "GND" at 91.967,-8 h1.1 r180
  text "GND" at -82.894,-8.021 h1.1 r180
  text "GND" at -70.404,-8.021 h1.1 r180
  text "GND" at -57.914,-8.021 h1.1 r180
  text "GND" at -45.423,-8.021 h1.1 r180
  text "GND" at -32.933,-8.021 h1.1 r180
  text "GND" at -20.443,-8.021 h1.1 r180
  text "GND" at -7.953,-8.021 h1.1 r180
  text "GND" at 4.537,-8.021 h1.1 r180
  text "GND" at 17.028,-8.021 h1.1 r180
  text "GND" at 29.518,-8.021 h1.1 r180
  text "GND" at 42.008,-8.021 h1.1 r180
  text "GND" at 54.498,-8.021 h1.1 r180
  text "GND" at 66.988,-8.021 h1.1 r180
  text "GND" at 79.479,-8.021 h1.1 r180
  text "GND" at 81.104,-8.021 h1.1 r180
  text "GND" at -93.757,-8.041 h1.1 r180
  text "GND" at -81.267,-8.041 h1.1 r180
  text "GND" at -68.777,-8.041 h1.1 r180
  text "GND" at -56.287,-8.041 h1.1 r180
  text "GND" at -43.796,-8.041 h1.1 r180
  text "GND" at -31.306,-8.041 h1.1 r180
  text "GND" at -18.816,-8.041 h1.1 r180
  text "GND" at -6.326,-8.041 h1.1 r180
  text "GND" at 6.164,-8.041 h1.1 r180
  text "GND" at 18.655,-8.041 h1.1 r180
  text "GND" at 31.145,-8.041 h1.1 r180
  text "GND" at 43.635,-8.041 h1.1 r180
  text "GND" at 56.125,-8.041 h1.1 r180
  text "GND" at 68.615,-8.041 h1.1 r180
  text "GND" at 91.967,-10.54 h1.1 r180
  text "GND" at -82.894,-10.561 h1.1 r180
  text "GND" at -70.404,-10.561 h1.1 r180
  text "GND" at -57.914,-10.561 h1.1 r180
  text "GND" at -45.423,-10.561 h1.1 r180
  text "GND" at -32.933,-10.561 h1.1 r180
  text "GND" at -20.443,-10.561 h1.1 r180
  text "GND" at -7.953,-10.561 h1.1 r180
  text "GND" at 4.537,-10.561 h1.1 r180
  text "GND" at 17.028,-10.561 h1.1 r180
  text "GND" at 29.518,-10.561 h1.1 r180
  text "GND" at 42.008,-10.561 h1.1 r180
  text "GND" at 54.498,-10.561 h1.1 r180
  text "GND" at 66.988,-10.561 h1.1 r180
  text "GND" at 79.479,-10.561 h1.1 r180
  text "GND" at 81.104,-10.561 h1.1 r180
  text "GND" at -93.757,-10.581 h1.1 r180
  text "GND" at -81.267,-10.581 h1.1 r180
  text "GND" at -68.777,-10.581 h1.1 r180
  text "GND" at -56.287,-10.581 h1.1 r180
  text "GND" at -43.796,-10.581 h1.1 r180
  text "GND" at -31.306,-10.581 h1.1 r180
  text "GND" at -18.816,-10.581 h1.1 r180
  text "GND" at -6.326,-10.581 h1.1 r180
  text "GND" at 6.164,-10.581 h1.1 r180
  text "GND" at 18.655,-10.581 h1.1 r180
  text "GND" at 31.145,-10.581 h1.1 r180
  text "GND" at 43.635,-10.581 h1.1 r180
  text "GND" at 56.125,-10.581 h1.1 r180
  text "GND" at 68.615,-10.581 h1.1 r180
  text "Out" at 91.967,-13.08 h1.1 r180
  text "Out" at -82.894,-13.101 h1.1 r180
  text "Out" at -70.404,-13.101 h1.1 r180
  text "Out" at -57.914,-13.101 h1.1 r180
  text "Out" at -45.423,-13.101 h1.1 r180
  text "Out" at -32.933,-13.101 h1.1 r180
  text "Out" at -20.443,-13.101 h1.1 r180
  text "Out" at -7.953,-13.101 h1.1 r180
  text "Out" at 4.537,-13.101 h1.1 r180
  text "Out" at 17.028,-13.101 h1.1 r180
  text "Out" at 29.518,-13.101 h1.1 r180
  text "Out" at 42.008,-13.101 h1.1 r180
  text "Out" at 54.498,-13.101 h1.1 r180
  text "Out" at 66.988,-13.101 h1.1 r180
  text "Out" at 79.479,-13.101 h1.1 r180
  text "Out" at 81.104,-13.101 h1.1 r180
  text "Out" at -93.757,-13.121 h1.1 r180
  text "Out" at -81.267,-13.121 h1.1 r180
  text "Out" at -68.777,-13.121 h1.1 r180
  text "Out" at -56.287,-13.121 h1.1 r180
  text "Out" at -43.796,-13.121 h1.1 r180
  text "Out" at -31.306,-13.121 h1.1 r180
  text "Out" at -18.816,-13.121 h1.1 r180
  text "Out" at -6.326,-13.121 h1.1 r180
  text "Out" at 6.164,-13.121 h1.1 r180
  text "Out" at 18.655,-13.121 h1.1 r180
  text "Out" at 31.145,-13.121 h1.1 r180
  text "Out" at 43.635,-13.121 h1.1 r180
  text "Out" at 56.125,-13.121 h1.1 r180
  text "Out" at 68.615,-13.121 h1.1 r180
  text "-OUTPUT-" at -101.575,-14.681 h7 r270
  text "IN" at 91.967,-15.62 h1.1 r180
  text "IN" at -82.894,-15.641 h1.1 r180
  text "IN" at -70.404,-15.641 h1.1 r180
  text "IN" at -57.914,-15.641 h1.1 r180
  text "IN" at -45.423,-15.641 h1.1 r180
  text "IN" at -32.933,-15.641 h1.1 r180
  text "IN" at -20.443,-15.641 h1.1 r180
  text "IN" at -7.953,-15.641 h1.1 r180
  text "IN" at 4.537,-15.641 h1.1 r180
  text "IN" at 17.028,-15.641 h1.1 r180
  text "IN" at 29.518,-15.641 h1.1 r180
  text "IN" at 42.008,-15.641 h1.1 r180
  text "IN" at 54.498,-15.641 h1.1 r180
  text "IN" at 66.988,-15.641 h1.1 r180
  text "IN" at 79.479,-15.641 h1.1 r180
  text "IN" at 81.104,-15.641 h1.1 r180
  text "IN" at -93.757,-15.661 h1.1 r180
  text "IN" at -81.267,-15.661 h1.1 r180
  text "IN" at -68.777,-15.661 h1.1 r180
  text "IN" at -56.287,-15.661 h1.1 r180
  text "IN" at -43.796,-15.661 h1.1 r180
  text "IN" at -31.306,-15.661 h1.1 r180
  text "IN" at -18.816,-15.661 h1.1 r180
  text "IN" at -6.326,-15.661 h1.1 r180
  text "IN" at 6.164,-15.661 h1.1 r180
  text "IN" at 18.655,-15.661 h1.1 r180
  text "IN" at 31.145,-15.661 h1.1 r180
  text "IN" at 43.635,-15.661 h1.1 r180
  text "IN" at 56.125,-15.661 h1.1 r180
  text "IN" at 68.615,-15.661 h1.1 r180
  text "En" at 91.967,-18.16 h1.1 r180
  text "En" at -82.894,-18.181 h1.1 r180
  text "En" at -70.404,-18.181 h1.1 r180
  text "En" at -57.914,-18.181 h1.1 r180
  text "En" at -45.423,-18.181 h1.1 r180
  text "En" at -32.933,-18.181 h1.1 r180
  text "En" at -20.443,-18.181 h1.1 r180
  text "En" at -7.953,-18.181 h1.1 r180
  text "En" at 4.537,-18.181 h1.1 r180
  text "En" at 17.028,-18.181 h1.1 r180
  text "En" at 29.518,-18.181 h1.1 r180
  text "En" at 42.008,-18.181 h1.1 r180
  text "En" at 54.498,-18.181 h1.1 r180
  text "En" at 66.988,-18.181 h1.1 r180
  text "En" at 79.479,-18.181 h1.1 r180
  text "5V" at 81.104,-18.181 h1.1 r180
  text "5V" at -93.757,-18.201 h1.1 r180
  text "5V" at -81.267,-18.201 h1.1 r180
  text "5V" at -68.777,-18.201 h1.1 r180
  text "5V" at -56.287,-18.201 h1.1 r180
  text "5V" at -43.796,-18.201 h1.1 r180
  text "5V" at -31.306,-18.201 h1.1 r180
  text "5V" at -18.816,-18.201 h1.1 r180
  text "5V" at -6.326,-18.201 h1.1 r180
  text "5V" at 6.164,-18.201 h1.1 r180
  text "5V" at 18.655,-18.201 h1.1 r180
  text "5V" at 31.145,-18.201 h1.1 r180
  text "5V" at 43.635,-18.201 h1.1 r180
  text "5V" at 56.125,-18.201 h1.1 r180
  text "5V" at 68.615,-18.201 h1.1 r180
  text "Ch1 IC90 Ch2" at 81.104,-21.051 h2 r180
  text "Ch1 IC76 Ch2" at -93.757,-21.071 h2 r180
  text "Ch1 IC77 Ch2" at -81.267,-21.071 h2 r180
  text "Ch1 IC78 Ch2" at -68.777,-21.071 h2 r180
  text "Ch1 IC79 Ch2" at -56.287,-21.071 h2 r180
  text "Ch1 IC80 Ch2" at -43.796,-21.071 h2 r180
  text "Ch1 IC81 Ch2" at -31.306,-21.071 h2 r180
  text "Ch1 IC82 Ch2" at -18.816,-21.071 h2 r180
  text "Ch1 IC83 Ch2" at -6.326,-21.071 h2 r180
  text "Ch1 IC84 Ch2" at 6.164,-21.071 h2 r180
  text "Ch1 IC85 Ch2" at 18.655,-21.071 h2 r180
  text "Ch1 IC86 Ch2" at 31.145,-21.071 h2 r180
  text "Ch1 IC87 Ch2" at 43.635,-21.071 h2 r180
  text "Ch1 IC88 Ch2" at 56.125,-21.071 h2 r180
  text "Ch1 IC89 Ch2" at 68.615,-21.071 h2 r180
  text "Ch1 IC61 Ch2" at -77.813,-53.798 h2 r180
  text "Ch1 IC62 Ch2" at -66.323,-53.798 h2 r180
  text "Ch1 IC63 Ch2" at -54.832,-53.798 h2 r180
  text "Ch1 IC64 Ch2" at -43.342,-53.798 h2 r180
  text "Ch1 IC65 Ch2" at -31.852,-53.798 h2 r180
  text "Ch1 IC66 Ch2" at -20.362,-53.798 h2 r180
  text "Ch1 IC67 Ch2" at -8.872,-53.798 h2 r180
  text "Ch1 IC60 Ch2" at -89.211,-53.842 h2 r180
  text "Ch1 IC69 Ch2" at 2.464,-58.904 h2 r180
  text "Ch1 IC70 Ch2" at 13.945,-58.904 h2 r180
  text "Ch1 IC71 Ch2" at 25.435,-58.904 h2 r180
  text "Ch1 IC72 Ch2" at 36.925,-58.904 h2 r180
  text "Ch1 IC73 Ch2" at 48.415,-58.904 h2 r180
  text "Ch1 IC74 Ch2" at 59.905,-58.904 h2 r180
  text "Ch1 IC75 Ch2" at 71.396,-58.904 h2 r180
  text "En" at 80.952,-69.626 h1.1 r180
  text "Vus" at 91.815,-69.626 h1.1 r180
  text "En" at -93.91,-69.647 h1.1 r180
  text "Vus" at -83.046,-69.647 h1.1 r180
  text "En" at -81.419,-69.647 h1.1 r180
  text "Vus" at -70.556,-69.647 h1.1 r180
  text "En" at -68.929,-69.647 h1.1 r180
  text "Vus" at -58.066,-69.647 h1.1 r180
  text "En" at -56.439,-69.647 h1.1 r180
  text "Vus" at -45.576,-69.647 h1.1 r180
  text "En" at -43.949,-69.647 h1.1 r180
  text "Vus" at -33.086,-69.647 h1.1 r180
  text "En" at -31.459,-69.647 h1.1 r180
  text "Vus" at -20.595,-69.647 h1.1 r180
  text "En" at -18.968,-69.647 h1.1 r180
  text "Vus" at -8.105,-69.647 h1.1 r180
  text "En" at -6.478,-69.647 h1.1 r180
  text "Vus" at 4.385,-69.647 h1.1 r180
  text "En" at 6.012,-69.647 h1.1 r180
  text "Vus" at 16.875,-69.647 h1.1 r180
  text "En" at 18.502,-69.647 h1.1 r180
  text "Vus" at 29.365,-69.647 h1.1 r180
  text "En" at 30.992,-69.647 h1.1 r180
  text "Vus" at 41.856,-69.647 h1.1 r180
  text "En" at 43.483,-69.647 h1.1 r180
  text "Vus" at 54.346,-69.647 h1.1 r180
  text "En" at 55.973,-69.647 h1.1 r180
  text "Vus" at 66.836,-69.647 h1.1 r180
  text "En" at 68.463,-69.647 h1.1 r180
  text "Vus" at 79.326,-69.647 h1.1 r180
  text "In" at 91.815,-71.608 h1.1 r180
  text "In" at -83.046,-71.628 h1.1 r180
  text "In" at -70.556,-71.628 h1.1 r180
  text "In" at -58.066,-71.628 h1.1 r180
  text "In" at -45.576,-71.628 h1.1 r180
  text "In" at -33.086,-71.628 h1.1 r180
  text "In" at -20.595,-71.628 h1.1 r180
  text "In" at -8.105,-71.628 h1.1 r180
  text "In" at 4.385,-71.628 h1.1 r180
  text "In" at 16.875,-71.628 h1.1 r180
  text "In" at 29.365,-71.628 h1.1 r180
  text "In" at 41.856,-71.628 h1.1 r180
  text "In" at 54.346,-71.628 h1.1 r180
  text "In" at 66.836,-71.628 h1.1 r180
  text "In" at 79.326,-71.628 h1.1 r180
  text "In" at 80.952,-71.628 h1.1 r180
  text "In" at -93.91,-71.648 h1.1 r180
  text "In" at -81.419,-71.648 h1.1 r180
  text "In" at -68.929,-71.648 h1.1 r180
  text "In" at -56.439,-71.648 h1.1 r180
  text "In" at -43.949,-71.648 h1.1 r180
  text "In" at -31.459,-71.648 h1.1 r180
  text "In" at -18.968,-71.648 h1.1 r180
  text "In" at -6.478,-71.648 h1.1 r180
  text "In" at 6.012,-71.648 h1.1 r180
  text "In" at 18.502,-71.648 h1.1 r180
  text "In" at 30.992,-71.648 h1.1 r180
  text "In" at 43.483,-71.648 h1.1 r180
  text "In" at 55.973,-71.648 h1.1 r180
  text "In" at 68.463,-71.648 h1.1 r180
  text "Out" at 91.815,-74.148 h1.1 r180
  text "Out" at -83.046,-74.168 h1.1 r180
  text "Out" at -70.556,-74.168 h1.1 r180
  text "Out" at -58.066,-74.168 h1.1 r180
  text "Out" at -45.576,-74.168 h1.1 r180
  text "Out" at -33.086,-74.168 h1.1 r180
  text "Out" at -20.595,-74.168 h1.1 r180
  text "Out" at -8.105,-74.168 h1.1 r180
  text "Out" at 4.385,-74.168 h1.1 r180
  text "Out" at 16.875,-74.168 h1.1 r180
  text "Out" at 29.365,-74.168 h1.1 r180
  text "Out" at 41.856,-74.168 h1.1 r180
  text "Out" at 54.346,-74.168 h1.1 r180
  text "Out" at 66.836,-74.168 h1.1 r180
  text "Out" at 79.326,-74.168 h1.1 r180
  text "Out" at 80.952,-74.168 h1.1 r180
  text "Out" at -93.91,-74.188 h1.1 r180
  text "Out" at -81.419,-74.188 h1.1 r180
  text "Out" at -68.929,-74.188 h1.1 r180
  text "Out" at -56.439,-74.188 h1.1 r180
  text "Out" at -43.949,-74.188 h1.1 r180
  text "Out" at -31.459,-74.188 h1.1 r180
  text "Out" at -18.968,-74.188 h1.1 r180
  text "Out" at -6.478,-74.188 h1.1 r180
  text "Out" at 6.012,-74.188 h1.1 r180
  text "Out" at 18.502,-74.188 h1.1 r180
  text "Out" at 30.992,-74.188 h1.1 r180
  text "Out" at 43.483,-74.188 h1.1 r180
  text "Out" at 55.973,-74.188 h1.1 r180
  text "Out" at 68.463,-74.188 h1.1 r180
  text "GND" at 91.815,-76.688 h1.1 r180
  text "GND" at -83.046,-76.708 h1.1 r180
  text "GND" at -70.556,-76.708 h1.1 r180
  text "GND" at -58.066,-76.708 h1.1 r180
  text "GND" at -45.576,-76.708 h1.1 r180
  text "GND" at -33.086,-76.708 h1.1 r180
  text "GND" at -20.595,-76.708 h1.1 r180
  text "GND" at -8.105,-76.708 h1.1 r180
  text "GND" at 4.385,-76.708 h1.1 r180
  text "GND" at 16.875,-76.708 h1.1 r180
  text "GND" at 29.365,-76.708 h1.1 r180
  text "GND" at 41.856,-76.708 h1.1 r180
  text "GND" at 54.346,-76.708 h1.1 r180
  text "GND" at 66.836,-76.708 h1.1 r180
  text "GND" at 79.326,-76.708 h1.1 r180
  text "GND" at 80.952,-76.708 h1.1 r180
  text "GND" at -93.91,-76.728 h1.1 r180
  text "GND" at -81.419,-76.728 h1.1 r180
  text "GND" at -68.929,-76.728 h1.1 r180
  text "GND" at -56.439,-76.728 h1.1 r180
  text "GND" at -43.949,-76.728 h1.1 r180
  text "GND" at -31.459,-76.728 h1.1 r180
  text "GND" at -18.968,-76.728 h1.1 r180
  text "GND" at -6.478,-76.728 h1.1 r180
  text "GND" at 6.012,-76.728 h1.1 r180
  text "GND" at 18.502,-76.728 h1.1 r180
  text "GND" at 30.992,-76.728 h1.1 r180
  text "GND" at 43.483,-76.728 h1.1 r180
  text "GND" at 55.973,-76.728 h1.1 r180
  text "GND" at 68.463,-76.728 h1.1 r180
  text "GND" at 91.815,-79.228 h1.1 r180
  text "GND" at -83.046,-79.248 h1.1 r180
  text "GND" at -70.556,-79.248 h1.1 r180
  text "GND" at -58.066,-79.248 h1.1 r180
  text "GND" at -45.576,-79.248 h1.1 r180
  text "GND" at -33.086,-79.248 h1.1 r180
  text "GND" at -20.595,-79.248 h1.1 r180
  text "GND" at -8.105,-79.248 h1.1 r180
  text "GND" at 4.385,-79.248 h1.1 r180
  text "GND" at 16.875,-79.248 h1.1 r180
  text "GND" at 29.365,-79.248 h1.1 r180
  text "GND" at 41.856,-79.248 h1.1 r180
  text "GND" at 54.346,-79.248 h1.1 r180
  text "GND" at 66.836,-79.248 h1.1 r180
  text "GND" at 79.326,-79.248 h1.1 r180
  text "GND" at 80.952,-79.248 h1.1 r180
  text "GND" at -93.91,-79.268 h1.1 r180
  text "GND" at -81.419,-79.268 h1.1 r180
  text "GND" at -68.929,-79.268 h1.1 r180
  text "GND" at -56.439,-79.268 h1.1 r180
  text "GND" at -43.949,-79.268 h1.1 r180
  text "GND" at -31.459,-79.268 h1.1 r180
  text "GND" at -18.968,-79.268 h1.1 r180
  text "GND" at -6.478,-79.268 h1.1 r180
  text "GND" at 6.012,-79.268 h1.1 r180
  text "GND" at 18.502,-79.268 h1.1 r180
  text "GND" at 30.992,-79.268 h1.1 r180
  text "GND" at 43.483,-79.268 h1.1 r180
  text "GND" at 55.973,-79.268 h1.1 r180
  text "GND" at 68.463,-79.268 h1.1 r180
  text "Out" at 91.815,-81.768 h1.1 r180
  text "Out" at -83.046,-81.788 h1.1 r180
  text "Out" at -70.556,-81.788 h1.1 r180
  text "Out" at -58.066,-81.788 h1.1 r180
  text "Out" at -45.576,-81.788 h1.1 r180
  text "Out" at -33.086,-81.788 h1.1 r180
  text "Out" at -20.595,-81.788 h1.1 r180
  text "Out" at -8.105,-81.788 h1.1 r180
  text "Out" at 4.385,-81.788 h1.1 r180
  text "Out" at 16.875,-81.788 h1.1 r180
  text "Out" at 29.365,-81.788 h1.1 r180
  text "Out" at 41.856,-81.788 h1.1 r180
  text "Out" at 54.346,-81.788 h1.1 r180
  text "Out" at 66.836,-81.788 h1.1 r180
  text "Out" at 79.326,-81.788 h1.1 r180
  text "Out" at 80.952,-81.788 h1.1 r180
  text "Out" at -93.91,-81.808 h1.1 r180
  text "Out" at -81.419,-81.808 h1.1 r180
  text "Out" at -68.929,-81.808 h1.1 r180
  text "Out" at -56.439,-81.808 h1.1 r180
  text "Out" at -43.949,-81.808 h1.1 r180
  text "Out" at -31.459,-81.808 h1.1 r180
  text "Out" at -18.968,-81.808 h1.1 r180
  text "Out" at -6.478,-81.808 h1.1 r180
  text "Out" at 6.012,-81.808 h1.1 r180
  text "Out" at 18.502,-81.808 h1.1 r180
  text "Out" at 30.992,-81.808 h1.1 r180
  text "Out" at 43.483,-81.808 h1.1 r180
  text "Out" at 55.973,-81.808 h1.1 r180
  text "Out" at 68.463,-81.808 h1.1 r180
  text "IC68- / IC90" at 95.952,-82.5 h3 r180
  text "IC46- / IC68" at -104.048,-82.54 h3 r180
  text "IN" at 91.815,-84.308 h1.1 r180
  text "IN" at -83.046,-84.328 h1.1 r180
  text "IN" at -70.556,-84.328 h1.1 r180
  text "IN" at -58.066,-84.328 h1.1 r180
  text "IN" at -45.576,-84.328 h1.1 r180
  text "IN" at -33.086,-84.328 h1.1 r180
  text "IN" at -20.595,-84.328 h1.1 r180
  text "IN" at -8.105,-84.328 h1.1 r180
  text "IN" at 4.385,-84.328 h1.1 r180
  text "IN" at 16.875,-84.328 h1.1 r180
  text "IN" at 29.365,-84.328 h1.1 r180
  text "IN" at 41.856,-84.328 h1.1 r180
  text "IN" at 54.346,-84.328 h1.1 r180
  text "IN" at 66.836,-84.328 h1.1 r180
  text "IN" at 79.326,-84.328 h1.1 r180
  text "IN" at 80.952,-84.328 h1.1 r180
  text "IN" at -93.91,-84.348 h1.1 r180
  text "IN" at -81.419,-84.348 h1.1 r180
  text "IN" at -68.929,-84.348 h1.1 r180
  text "IN" at -56.439,-84.348 h1.1 r180
  text "IN" at -43.949,-84.348 h1.1 r180
  text "IN" at -31.459,-84.348 h1.1 r180
  text "IN" at -18.968,-84.348 h1.1 r180
  text "IN" at -6.478,-84.348 h1.1 r180
  text "IN" at 6.012,-84.348 h1.1 r180
  text "IN" at 18.502,-84.348 h1.1 r180
  text "IN" at 30.992,-84.348 h1.1 r180
  text "IN" at 43.483,-84.348 h1.1 r180
  text "IN" at 55.973,-84.348 h1.1 r180
  text "IN" at 68.463,-84.348 h1.1 r180
  text "En" at 91.815,-86.848 h1.1 r180
  text "En" at -83.046,-86.868 h1.1 r180
  text "En" at -70.556,-86.868 h1.1 r180
  text "En" at -58.066,-86.868 h1.1 r180
  text "En" at -45.576,-86.868 h1.1 r180
  text "En" at -33.086,-86.868 h1.1 r180
  text "En" at -20.595,-86.868 h1.1 r180
  text "En" at -8.105,-86.868 h1.1 r180
  text "En" at 4.385,-86.868 h1.1 r180
  text "En" at 16.875,-86.868 h1.1 r180
  text "En" at 29.365,-86.868 h1.1 r180
  text "En" at 41.856,-86.868 h1.1 r180
  text "En" at 54.346,-86.868 h1.1 r180
  text "En" at 66.836,-86.868 h1.1 r180
  text "En" at 79.326,-86.868 h1.1 r180
  text "5V" at 80.952,-86.868 h1.1 r180
  text "5V" at -93.91,-86.888 h1.1 r180
  text "5V" at -81.419,-86.888 h1.1 r180
  text "5V" at -68.929,-86.888 h1.1 r180
  text "5V" at -56.439,-86.888 h1.1 r180
  text "5V" at -43.949,-86.888 h1.1 r180
  text "5V" at -31.459,-86.888 h1.1 r180
  text "5V" at -18.968,-86.888 h1.1 r180
  text "5V" at -6.478,-86.888 h1.1 r180
  text "5V" at 6.012,-86.888 h1.1 r180
  text "5V" at 18.502,-86.888 h1.1 r180
  text "5V" at 30.992,-86.888 h1.1 r180
  text "5V" at 43.483,-86.888 h1.1 r180
  text "5V" at 55.973,-86.888 h1.1 r180
  text "5V" at 68.463,-86.888 h1.1 r180
  text "Ch1 IC68 Ch2" at 80.952,-89.738 h2 r180
  text "Ch1 IC46 Ch2" at -93.91,-89.759 h2 r180
  text "Ch1 IC47 Ch2" at -81.419,-89.759 h2 r180
  text "Ch1 IC48 Ch2" at -68.929,-89.759 h2 r180
  text "Ch1 IC49 Ch2" at -56.439,-89.759 h2 r180
  text "Ch1 IC50 Ch2" at -43.949,-89.759 h2 r180
  text "Ch1 IC51 Ch2" at -31.459,-89.759 h2 r180
  text "Ch1 IC52 Ch2" at -18.968,-89.759 h2 r180
  text "Ch1 IC53 Ch2" at -6.478,-89.759 h2 r180
  text "Ch1 IC54 Ch2" at 6.012,-89.759 h2 r180
  text "Ch1 IC55 Ch2" at 18.502,-89.759 h2 r180
  text "Ch1 IC56 Ch2" at 30.992,-89.759 h2 r180
  text "Ch1 IC57 Ch2" at 43.483,-89.759 h2 r180
  text "Ch1 IC58 Ch2" at 55.973,-89.759 h2 r180
  text "Ch1 IC59 Ch2" at 68.463,-89.759 h2 r180
  text "-OUTPUT-" at 14.681,-101.575 h7
Mechanical 1:
  the board outline again, w0.2